# Altium PCB DM1098OAKW.PcbDoc (part 1 of 5)
Units mm, origin at the board's own origin, x right, y up, seen from the top; angles counter-clockwise.
Board outline 98.3 x 35 mm, 6 copper layers (Top Copper, Signal Layer 1, Signal Layer 2, Signal Layer 3, Signal Layer 4, Bottom Copper), stack 1.597 mm thick; 204 components, 159 nets, 836 pads, 621 vias.
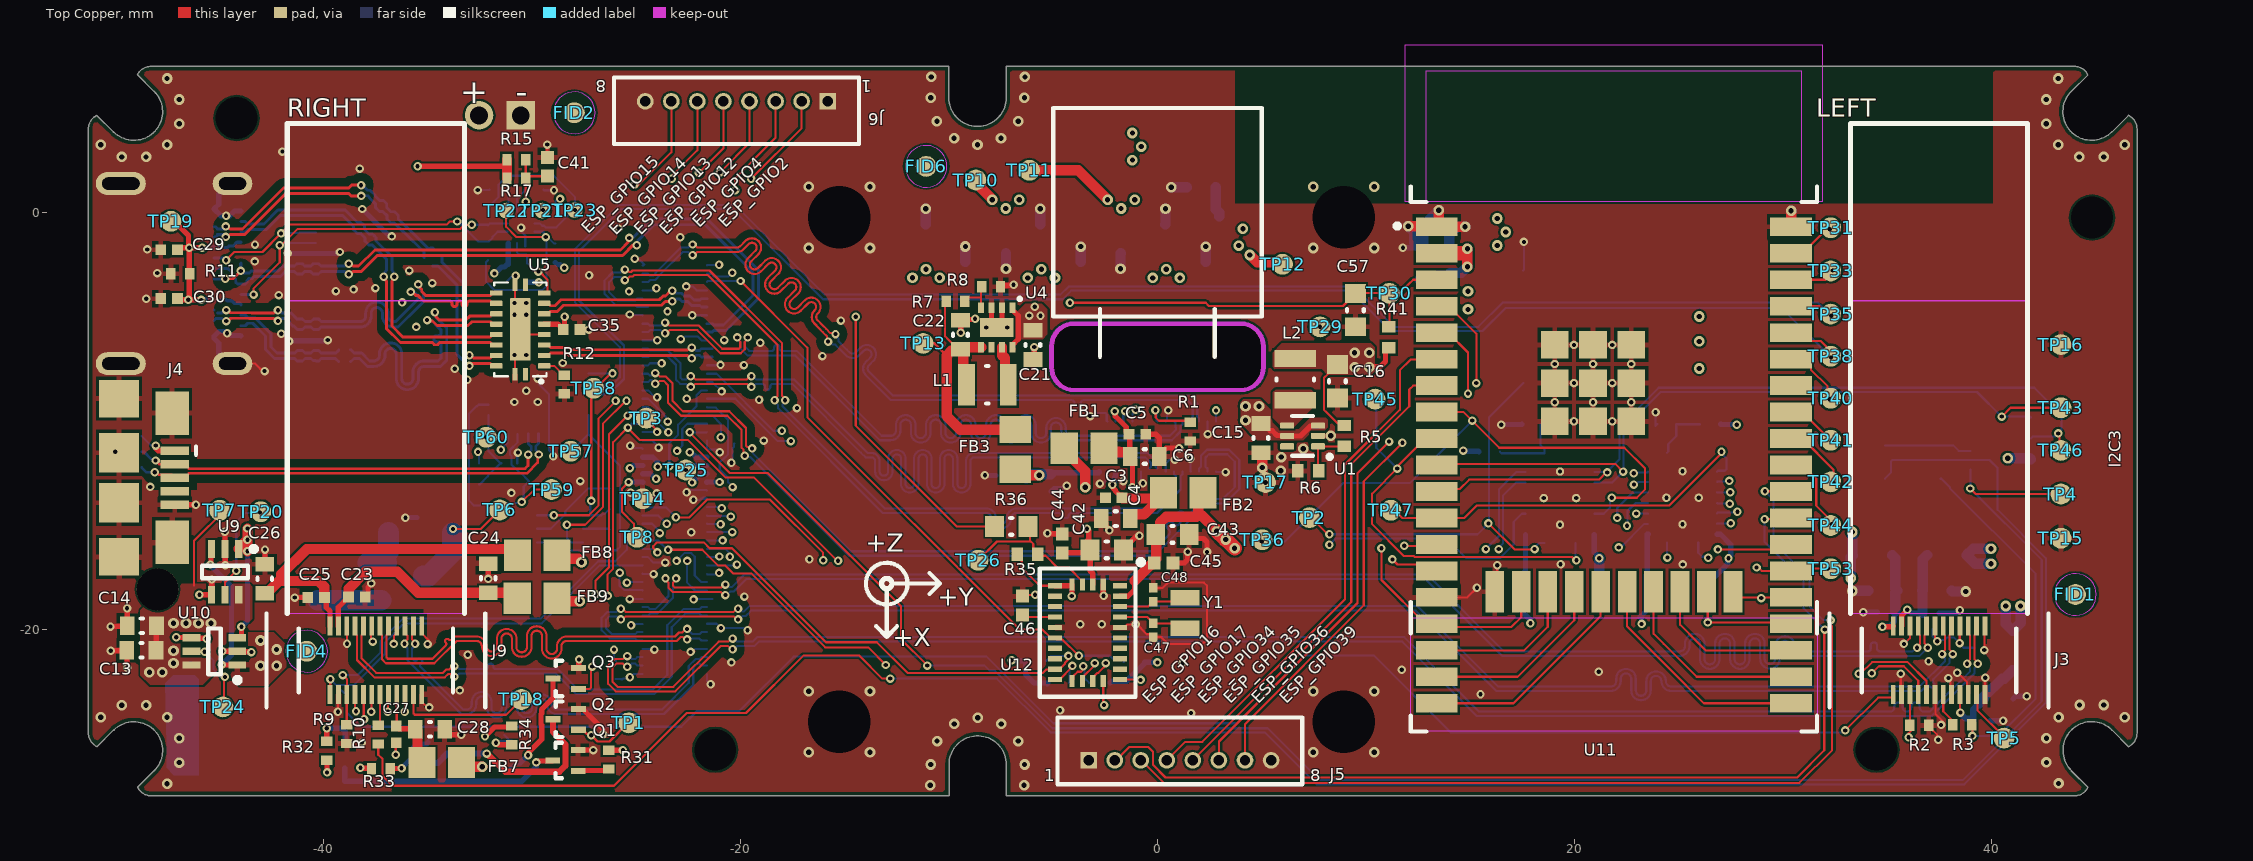
[diagram p0: Top Copper view]
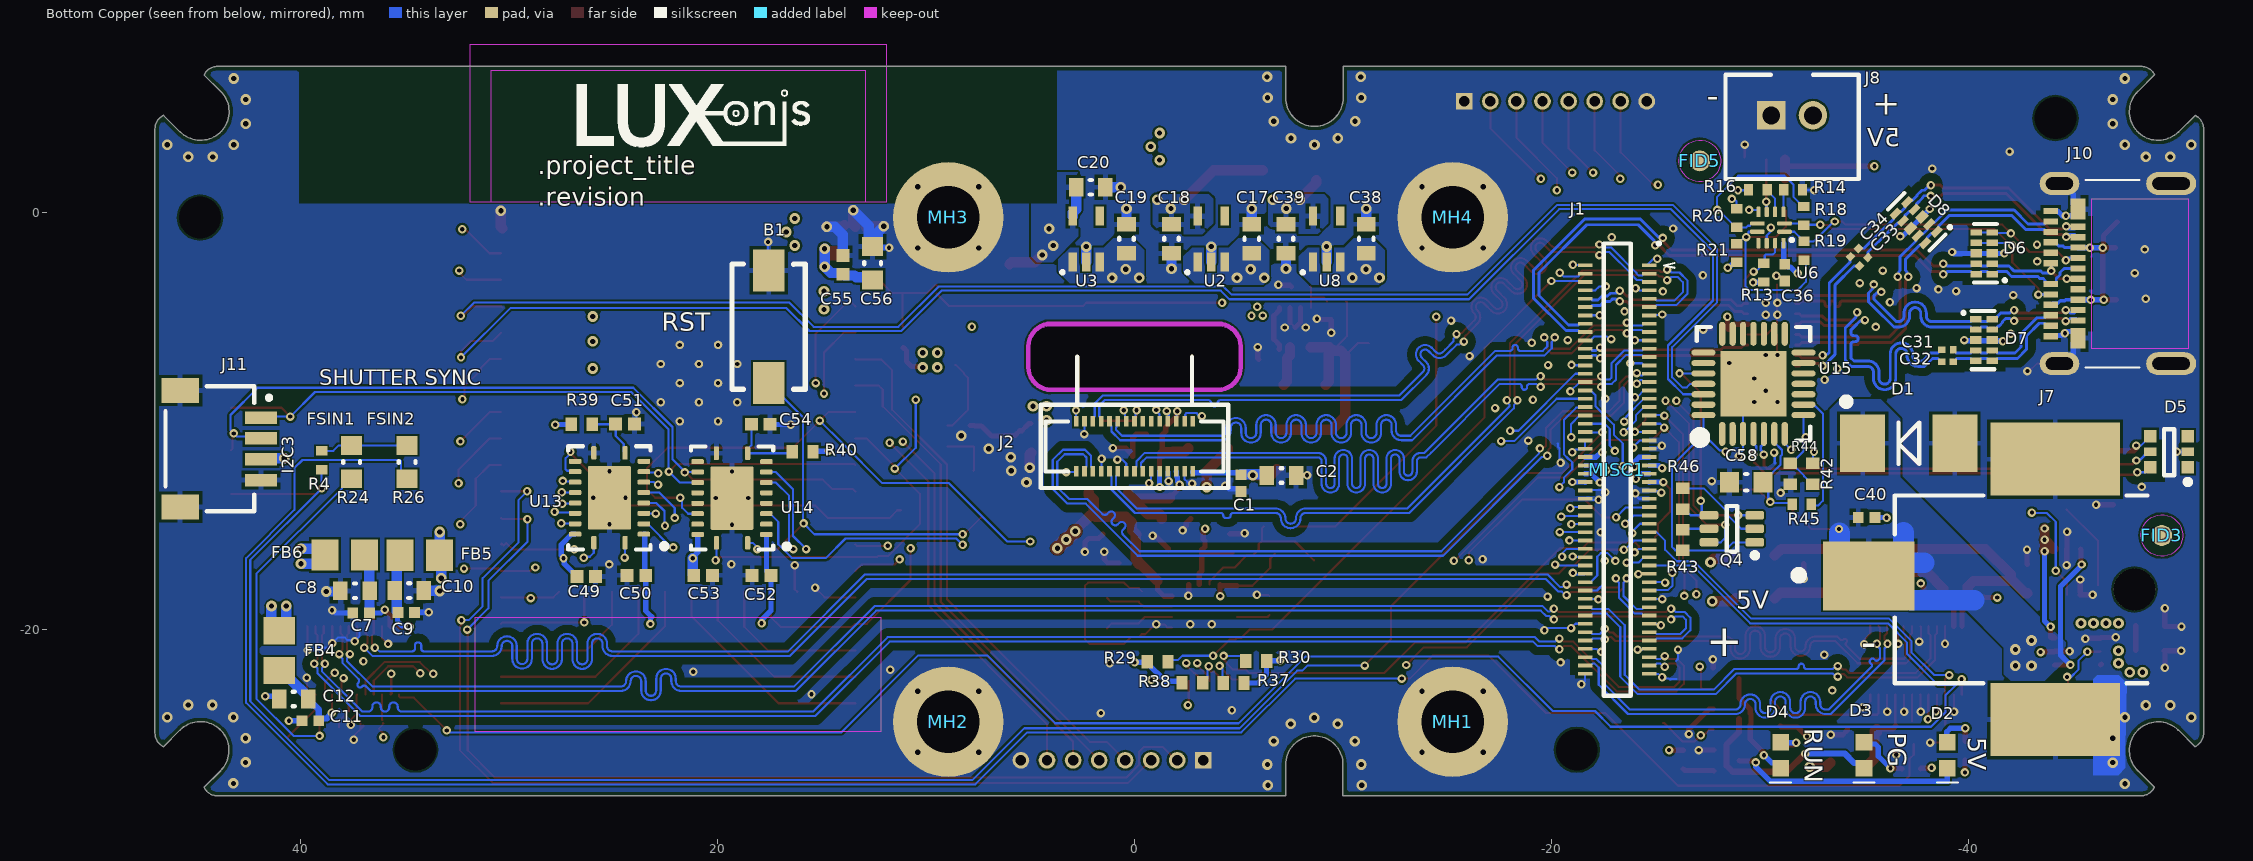
[diagram p1: Bottom Copper view, seen from below]
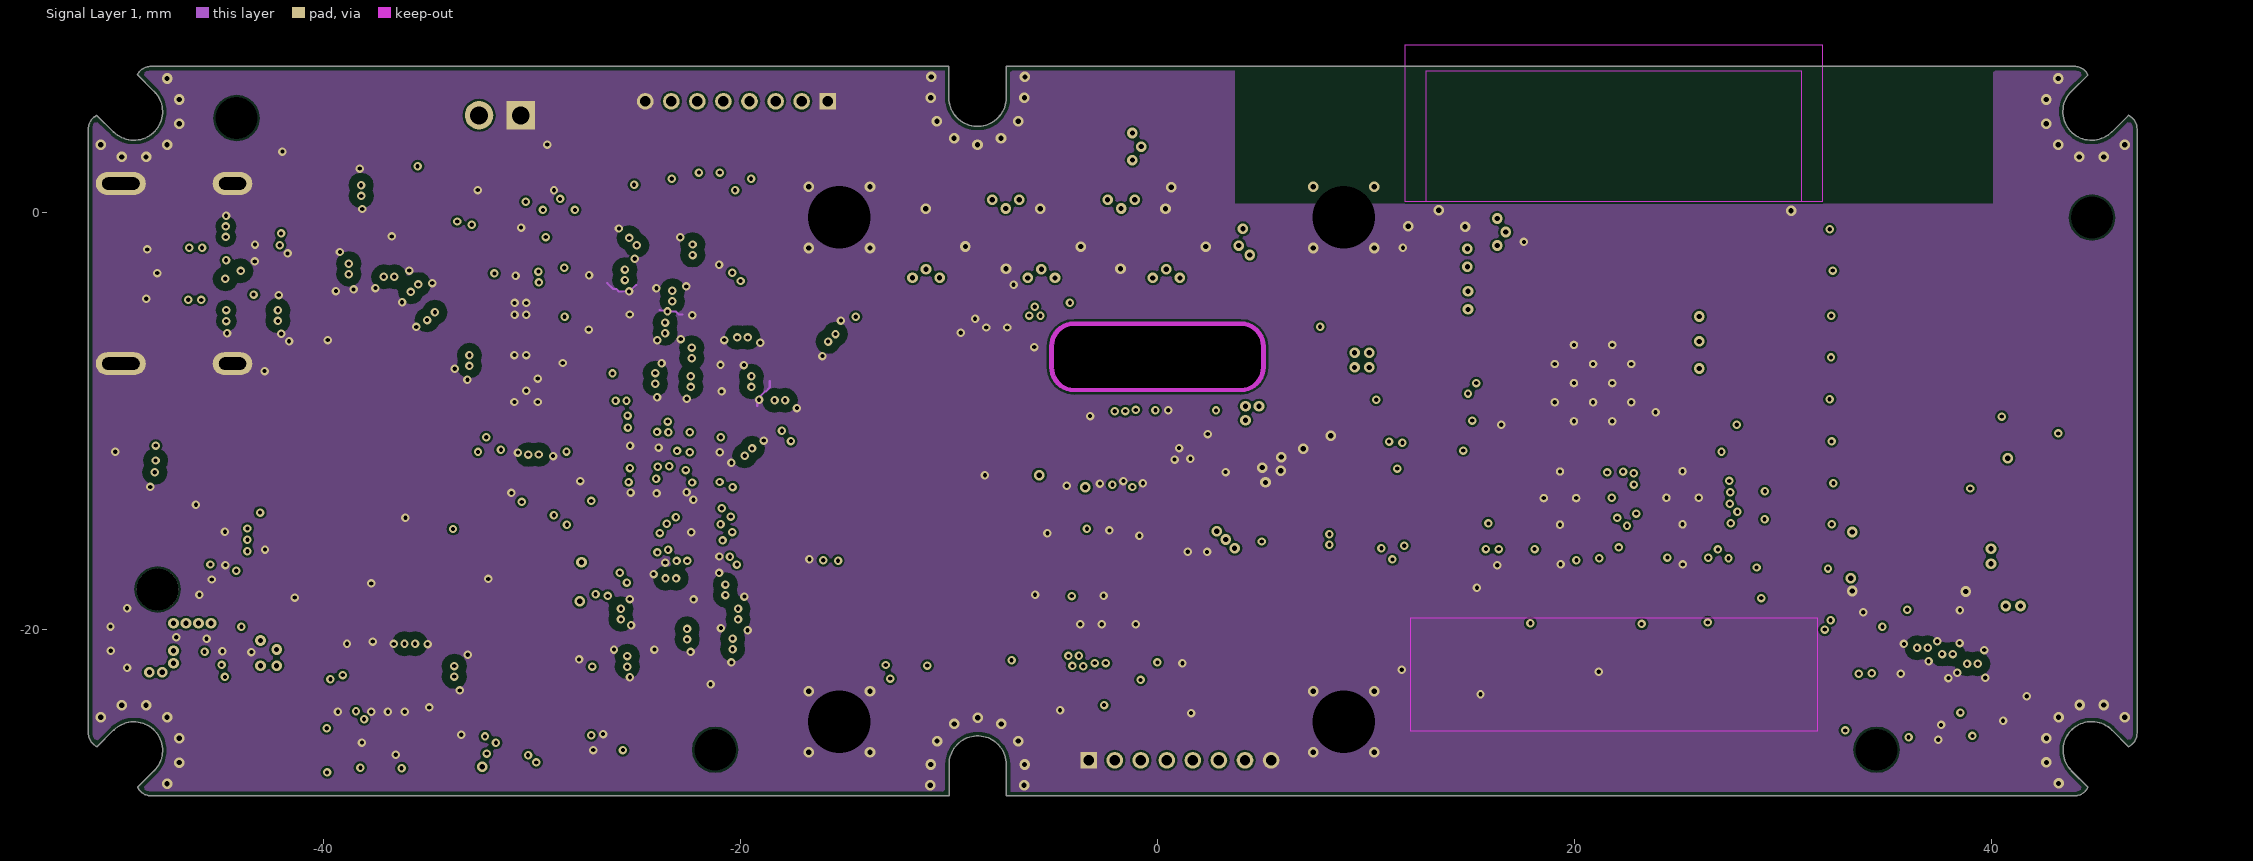
[diagram p2: Signal Layer 1]
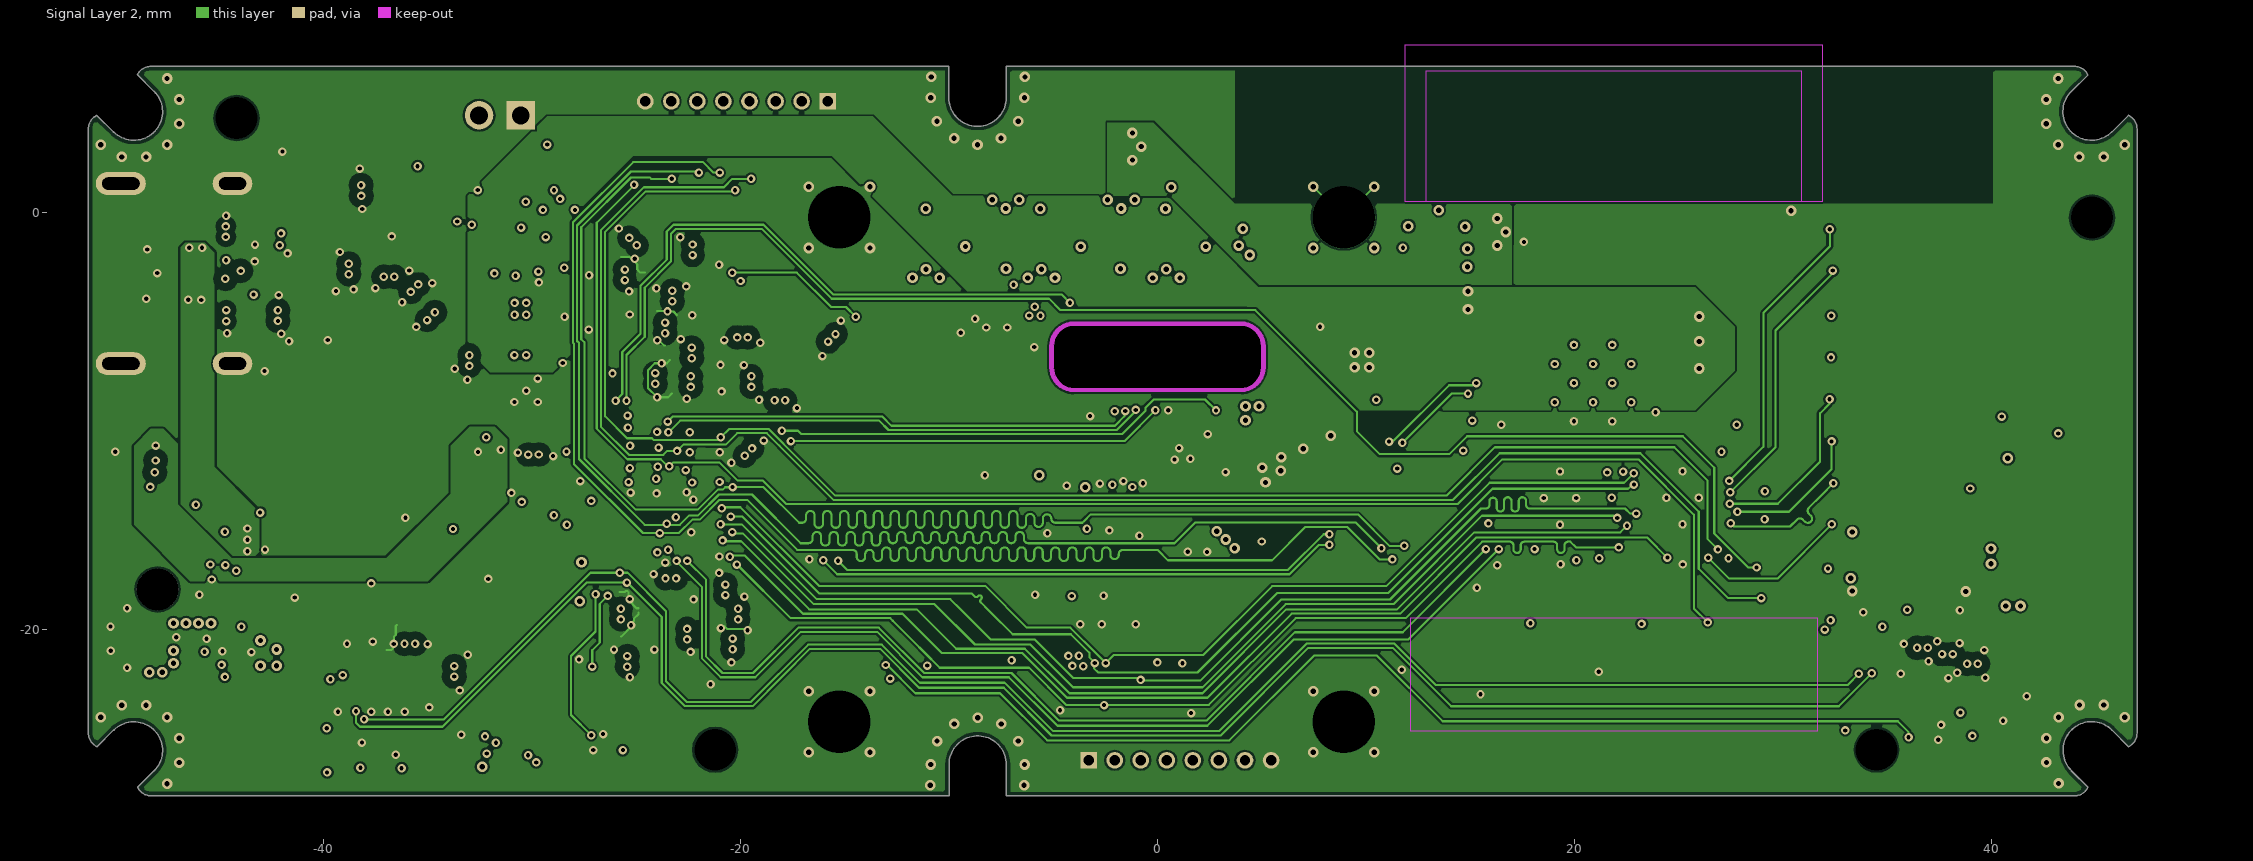
[diagram p3: Signal Layer 2]
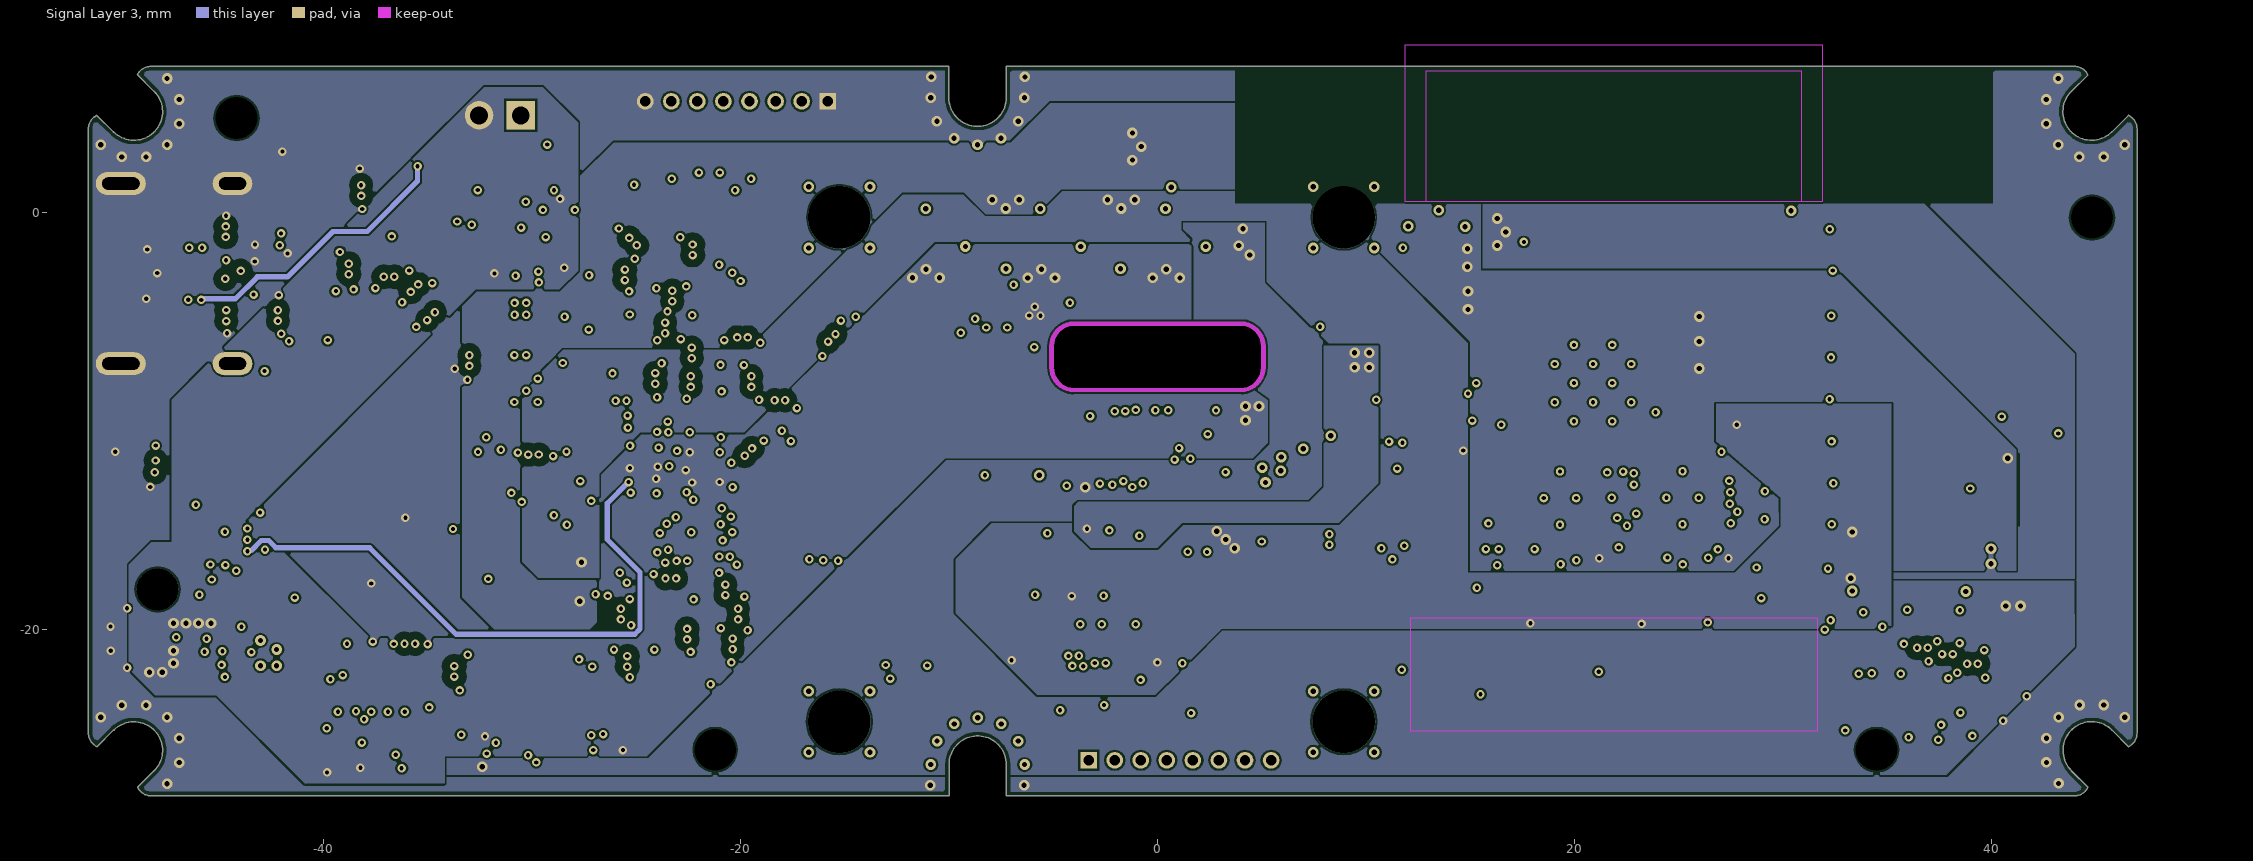
[diagram p4: Signal Layer 3]
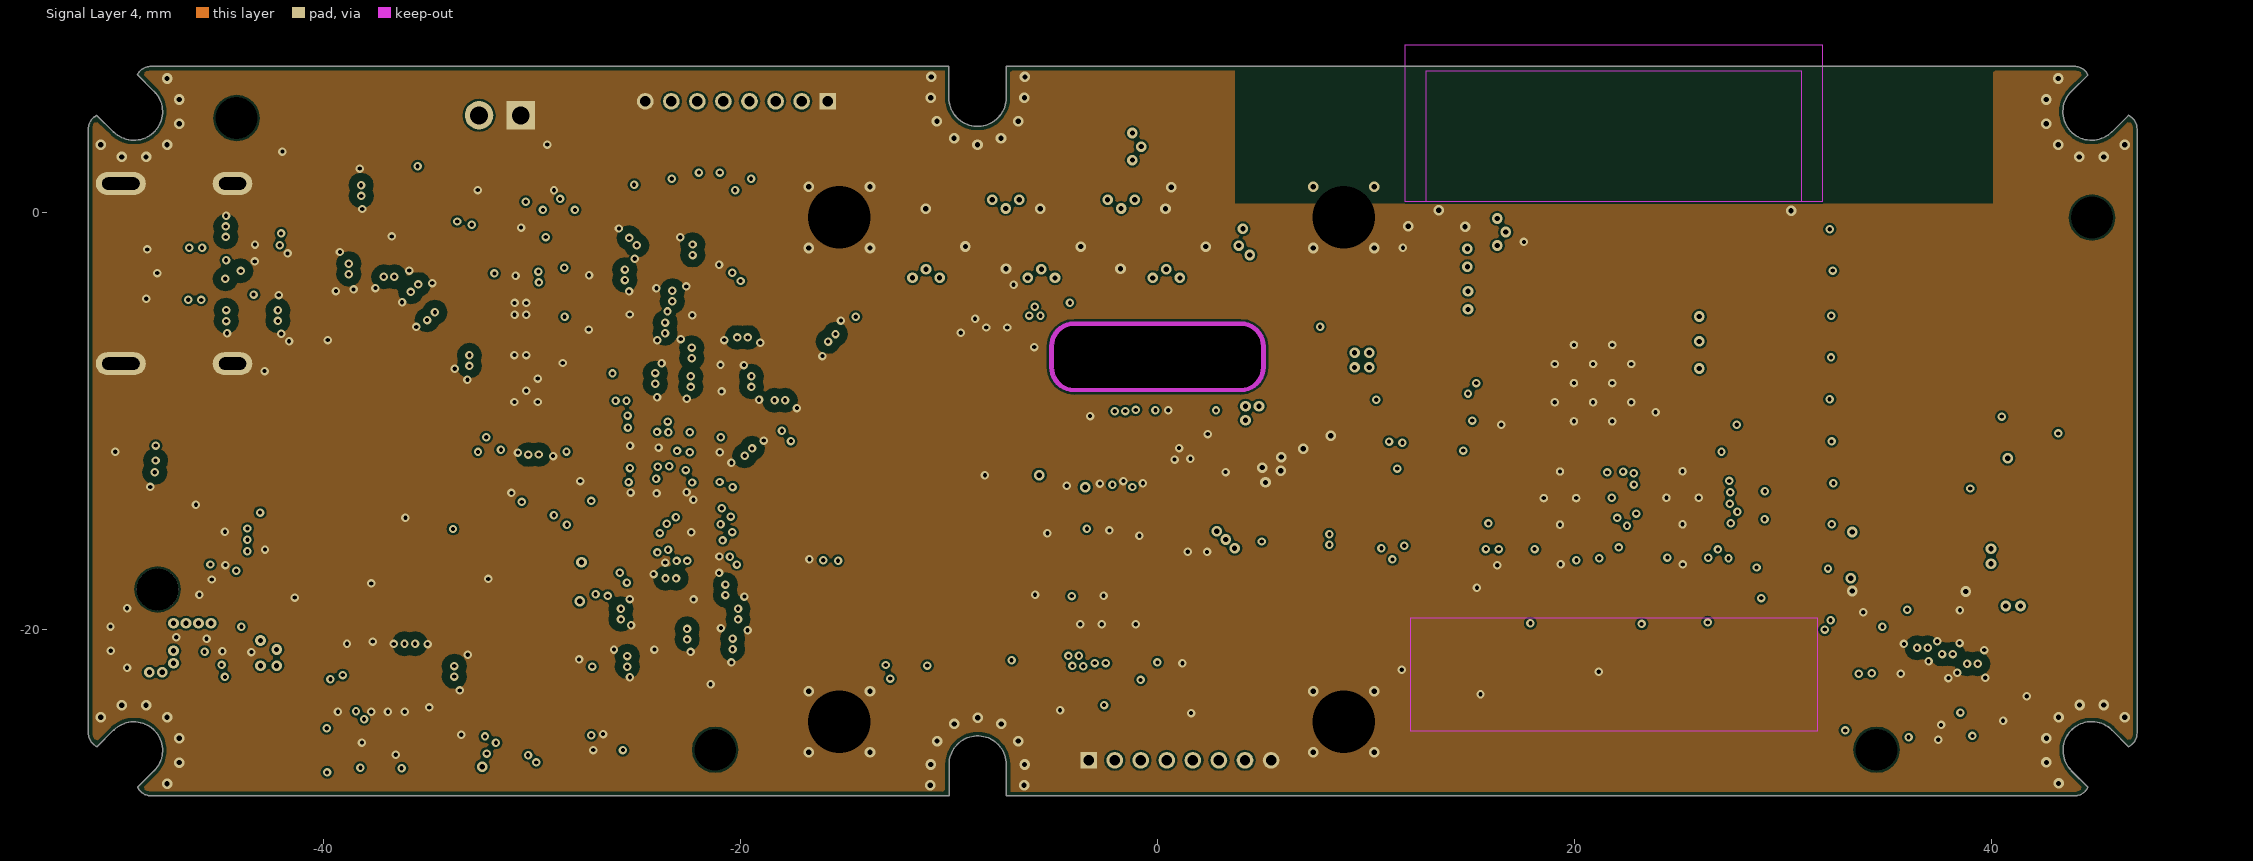
[diagram p5: Signal Layer 4]

## Layer stack, top to bottom
Top Mask: solder mask 0.015, Solder Resist, Dk 3.8
Top Copper: signal copper 0.035
Dielectric 1: prepreg 0.1, 2313, Dk 4.05
Signal Layer 1: signal copper 0.0175
Core 1: core 0.565, FR-4, Dk 4.5
Signal Layer 2: signal copper 0.0175
Dielectric 2: prepreg 0.127, 2116, Dk 4.25
Signal Layer 3: signal copper 0.0175
Core 2: core 0.565, FR-4, Dk 4.5
Signal Layer 4: signal copper 0.0175
Dielectric 3: prepreg 0.1, 2313, Dk 4.05
Bottom Copper: signal copper 0.035
Bottom Mask: solder mask 0.015, Solder Resist, Dk 3.8

## Board outline
-50.882,-25.643 cw(c-50.582,-25) -51.292,-25 -51.292,4 -51.298,4 cw(c-50.587,4) -50.887,4.644 -50.89,4.643 -50.092,3.846 -50.081,3.853 ccw(c-49.109,4.825) -48.137,5.797 -48.145,5.795 -48.942,6.592 -48.943,6.59 cw(c-48.3,6.29) -48.3,6.999 -48.3,7 -10.009,7 -10.009,5.491 ccw(c-8.634,5.491) -7.259,5.491 -7.259,6.991 -7.259,7 44.008,7 44,6.998 cw(c44,6.287) 44.644,6.587 44.643,6.59 43.846,5.792 43.844,5.797 ccw(c44.817,4.825) 45.789,3.853 45.795,3.845 46.592,4.642 46.59,4.643 cw(c46.29,4) 46.999,4 47,4 47,-25 cw(c46.289,-25) 46.59,-25.644 46.592,-25.643 45.795,-24.846 45.797,-24.844 ccw(c44.825,-25.817) 43.853,-26.789 43.847,-26.795 44.645,-27.592 44.646,-27.59 cw(c44.002,-27.29) 44.002,-27.999 44.002,-28 -7.25,-28 -7.25,-26.5 ccw(c-8.625,-26.5) -10,-26.5 -10,-28 -48.3,-28 -48.292,-27.998 cw(c-48.292,-27.287) -48.936,-27.587 -48.935,-27.59 -48.138,-26.792 -48.137,-26.797 ccw(c-49.109,-25.825) -50.081,-24.853 -50.087,-24.845

## Design rules (kind name [scope] priority, off if disabled: settings)
AssemblyTestPointUsage [All] p1: valid=2
BoardOutlineClearance [All] p1: gap=0.2 ignorepadtopadclearanceinfootprint=FALSE
Clearance DIFF_PAIR_GND [InPolygon vs InAnyDifferentialPair] p1: gap=0.381 ignorepadtopadclearanceinfootprint=TRUE
Clearance [All] p2: gap=0.1 ignorepadtopadclearanceinfootprint=TRUE
ComponentClearance [All] p1: gap=0 collisioncheckmode=3 verticalgap=0 showdistances=FALSE
DiffPairsRouting 90ohm [InDifferentialPairClass('USB3')] p1: maxlimit=0.254 minlimit=0.127 mostfreqgap=0.254 toplayer_maxgap=0.127 toplayer_prefgap=0.127 toplayer_minwidth=0.139 toplayer_maxwidth=0.139 toplayer_prefwidth=0.139 bottomlayer_maxgap=0.127 bottomlayer_prefgap=0.127 bottomlayer_minwidth=0.139 bottomlayer_maxwidth=0.139 bottomlayer_prefwidth=0.139 impedanceprofiledriven=TRUE impedanceprofileid={5E0AE9A8-3D07-4AA9-B748-DEA90B14AD77} impedanceprofilevalue=90.000000 maxuncoupledlength=12.7
DiffPairsRouting 100ohm [InDifferentialPairClass('100ohm')] p2: maxlimit=0.254 minlimit=0.127 mostfreqgap=0.254 toplayer_maxgap=0.127 toplayer_prefgap=0.127 toplayer_minwidth=0.102 toplayer_maxwidth=0.105 toplayer_prefwidth=0.105 bottomlayer_maxgap=0.127 bottomlayer_prefgap=0.127 bottomlayer_minwidth=0.102 bottomlayer_maxwidth=0.105 bottomlayer_prefwidth=0.105 impedanceprofiledriven=TRUE impedanceprofileid={1FA609B6-3C6D-4E54-BDD7-8E1A0B0A8D23} impedanceprofilevalue=100.000000 maxuncoupledlength=12.7
FabricationTestPointUsage [All] p1: valid=2 allowmultiple=FALSE
FanoutControl [All] p1: bgadir=Out bgaviamode=Centered fanoutstyle=Rows fanoutdirection=OutOnly viagrid=0.025
FanoutControl Fanout_BGA [IsBGA] p2: bgadir=Out bgaviamode=Centered fanoutstyle=Auto fanoutdirection=Alternating viagrid=0.025 // Fanout_BGA (Default Rule)
FanoutControl Fanout_LCC [IsLCC] p3: bgadir=Out bgaviamode=Centered fanoutstyle=Auto fanoutdirection=Alternating viagrid=0.025 // Fanout_LCC (Default Rule)
FanoutControl Fanout_SOIC [IsSOIC] p4: bgadir=Out bgaviamode=Centered fanoutstyle=Auto fanoutdirection=Alternating viagrid=0.025 // Fanout_SOIC (Default Rule)
FanoutControl Fanout_Small [(CompPinCount < 5)] p5: bgadir=Out bgaviamode=Centered fanoutstyle=Auto fanoutdirection=OutThenIn viagrid=0.025 // Fanout_Small (Default Rule)
FanoutControl Fanout_Default [All] p6: bgadir=Out bgaviamode=Centered fanoutstyle=Auto fanoutdirection=Alternating viagrid=0.025 // Fanout_Default (Default Rule)
HoleSize [All] p1: absolutevalues=TRUE maxlimit=25.4 minlimit=0.2 maxpercent=80.000 minpercent=20.000
HoleToHoleClearance [All] p1: gap=0.254 allowstackedmicrovias=FALSE
MatchedLengths "Schematic Matched Net Lengths_4" [InNetClass('VDDIOB_GPIO')] p1: tolerance=2.54 checknetsindiffpair=FALSE checkdiffpairvsdiffpair=TRUE checkxsignals=TRUE checkothers=TRUE usedelayunits=TRUE delaytolerance=50.000000
MatchedLengths "Schematic Matched Net Lengths_3" [InNetClass('SPI0_3V3')] p2: tolerance=2.54 checknetsindiffpair=FALSE checkdiffpairvsdiffpair=TRUE checkxsignals=TRUE checkothers=TRUE usedelayunits=TRUE delaytolerance=50.000000
MatchedLengths GPB-CON [InxSignalClass('GPB-CON')] p3: tolerance=50 checknetsindiffpair=FALSE checkdiffpairvsdiffpair=TRUE checkxsignals=TRUE checkothers=TRUE
MatchedLengths MatchedLengths_GPB_ESP [InxSignalClass('GPB_ESP')] p4: tolerance=25.4 checknetsindiffpair=FALSE checkdiffpairvsdiffpair=TRUE checkxsignals=TRUE checkothers=TRUE usedelayunits=TRUE delaytolerance=50.000000
MatchedLengths MatchedLengths_USB_inDiff [InxSignalClass('USB_D_XSIG') or InxSignalClass('USB_RX_XSIG') or InxSignalClass('USB_TX_XSIG')] p5: tolerance=25.4 checknetsindiffpair=TRUE checkdiffpairvsdiffpair=FALSE checkxsignals=FALSE checkothers=FALSE usedelayunits=TRUE delaytolerance=0.500000
MatchedLengths SPI0 [InxSignalClass('SPI0')] p6: tolerance=50 checknetsindiffpair=FALSE checkdiffpairvsdiffpair=TRUE checkxsignals=TRUE checkothers=TRUE usedelayunits=TRUE delaytolerance=50.000000
MatchedLengths SPI0_IMU [InxSignalClass('SPI0_IMU')] p7: tolerance=0.5 checknetsindiffpair=FALSE checkdiffpairvsdiffpair=TRUE checkxsignals=TRUE checkothers=TRUE usedelayunits=TRUE delaytolerance=50.000000
MatchedLengths "Schematic Matched Net Lengths_2" [InNetClass('MIPI_CAM_C')] p8: tolerance=0.127 checknetsindiffpair=FALSE checkdiffpairvsdiffpair=TRUE checkxsignals=TRUE checkothers=TRUE usedelayunits=TRUE delaytolerance=1.000000
MatchedLengths "Schematic Matched Net Lengths_1" [InNetClass('MIPI_CAM_B')] p9: tolerance=0.127 checknetsindiffpair=FALSE checkdiffpairvsdiffpair=TRUE checkxsignals=TRUE checkothers=TRUE usedelayunits=TRUE delaytolerance=1.000000
MatchedLengths "Schematic Matched Net Lengths" [InNetClass('MIPI_CAM_A')] p10: tolerance=0.127 checknetsindiffpair=FALSE checkdiffpairvsdiffpair=TRUE checkxsignals=TRUE checkothers=TRUE usedelayunits=TRUE delaytolerance=1.000000
MinimumSolderMaskSliver [All vs not ( HasFootprint('DF40HC-3.0-100DS-0.4V_minpad')  or HasFootprint('CP2102N-A02-GQFN28R')  or HasFootprint('10118192-0001LF')  or HasFootprint('TPD4EUSB30DQAR')  or HasFootprint('105450-0101') )] p1: minsoldermaskwidth=0.076
PolygonConnect PolygonConnect_PWR [All vs InNet('NetL2_1') or InNet('NetL2_2') or InNet('Vdd_5V') or InNet('3v3')] p1: connectstyle=Direct reliefconductorwidth=0.254 reliefentries=4 polygonreliefangle="90 Angle" airgapwidth=0.254
PolygonConnect [All] p2: thpad.connectstyle=Direct thpad.reliefconductorwidth=0.254 thpad.reliefentries=4 thpad.polygonreliefangle="90 Angle" thpad.airgapwidth=0.254 smdpad.connectstyle=Relief smdpad.reliefconductorwidth=0.254 smdpad.reliefentries=4 smdpad.polygonreliefangle="90 Angle" smdpad.airgapwidth=0.15 via.connectstyle=Direct via.reliefconductorwidth=0.254 via.reliefentries=4 via.polygonreliefangle="90 Angle" via.airgapwidth=0.254
RoutingVias RoutingVias_DiffPairs [InDifferentialPairClass('All Differential Pairs')] p1: holewidth=0.203 width=0.406 viastyle="Through Hole" minholewidth=0.203 minwidth=0.406 maxholewidth=25.4 maxwidth=25.4 useviatemplates=TRUE viatemplateguid#1={0AC0E5C7-89F5-4B11-A7EC-3442EAAE7430} viatemplatename#1=v41h20m0mx0
RoutingVias RoutingVias_General [All] p2: holewidth=0.254 width=0.508 viastyle="Through Hole" minholewidth=0.203 minwidth=0.406 maxholewidth=25.4 maxwidth=25.4 useviatemplates=TRUE viatemplateguid#1={0AC0E5C7-89F5-4B11-A7EC-3442EAAE7430} viatemplatename#1=v41h20m0mx0
SilkToSilkClearance [All] p1: silktosilkclearance=0.025
SilkToSolderMaskClearance [InPadClass('All Pads')] p1: minsilkscreentomaskgap=0 clearancetoexposedcopper=FALSE
SolderMaskExpansion [All] p1: expansion=0.102 istentingtop=FALSE
UnRoutedNet [All] p1: checkbadconnections=TRUE
Width [All] p1: maxlimit=1 minlimit=0.102 preferedwidth=0.102 minimp=50.000000 maximp=50.000000 favimp=50.000000
15 further rules are at their usual default settings.
